# KiCad board PC110-no-placement.kicad_pcb
title: MINI ITX KICAD Template; date: 2023-04-20; rev: 0.8; company: morpheans.com
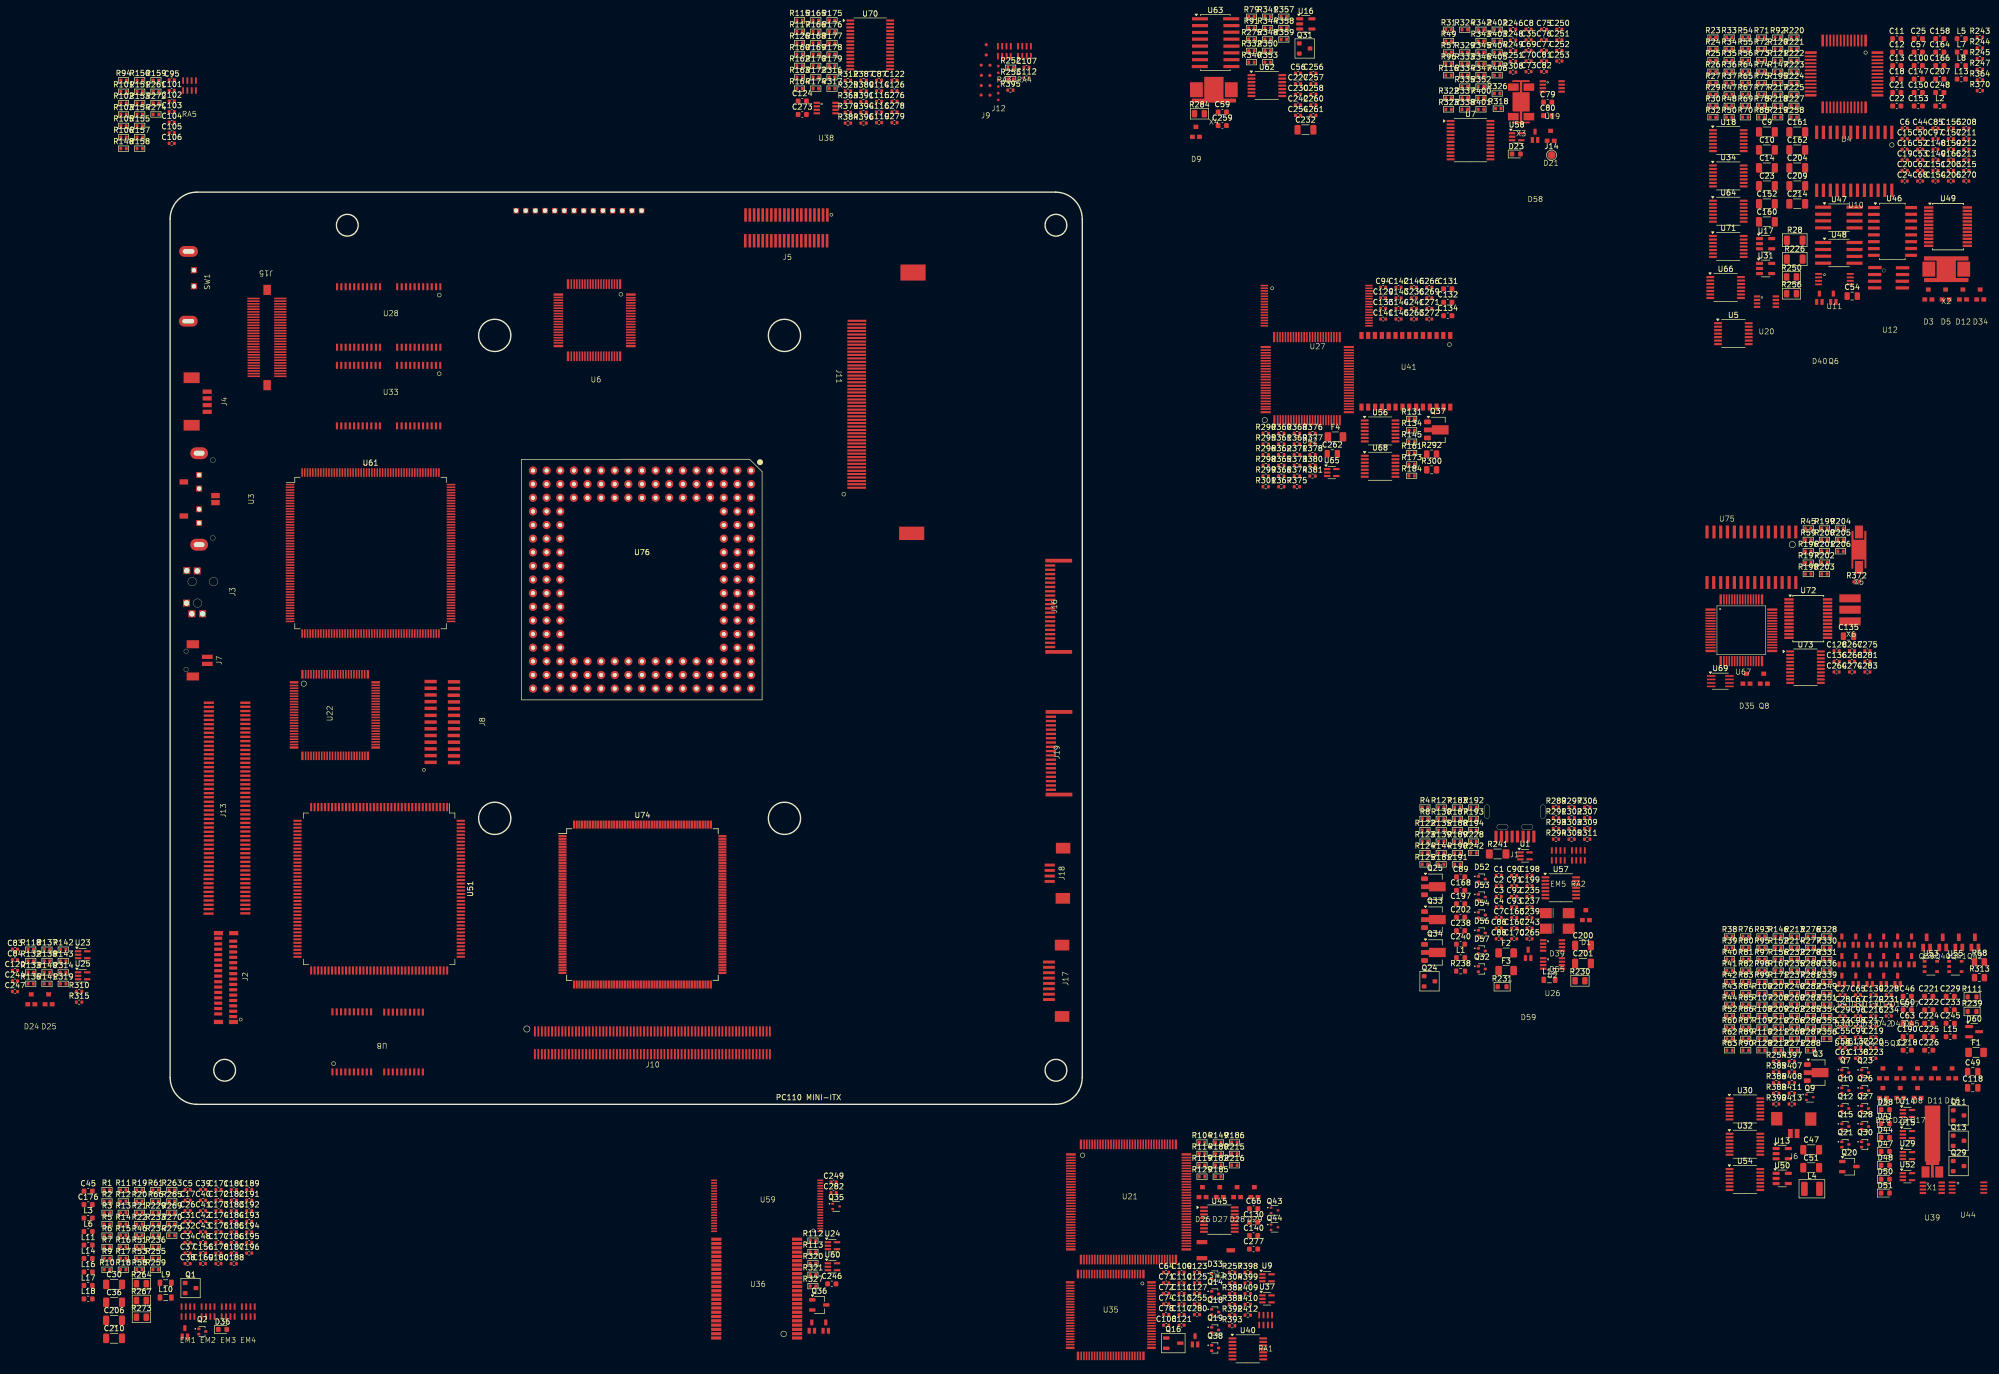
[diagram p0: board, top side]
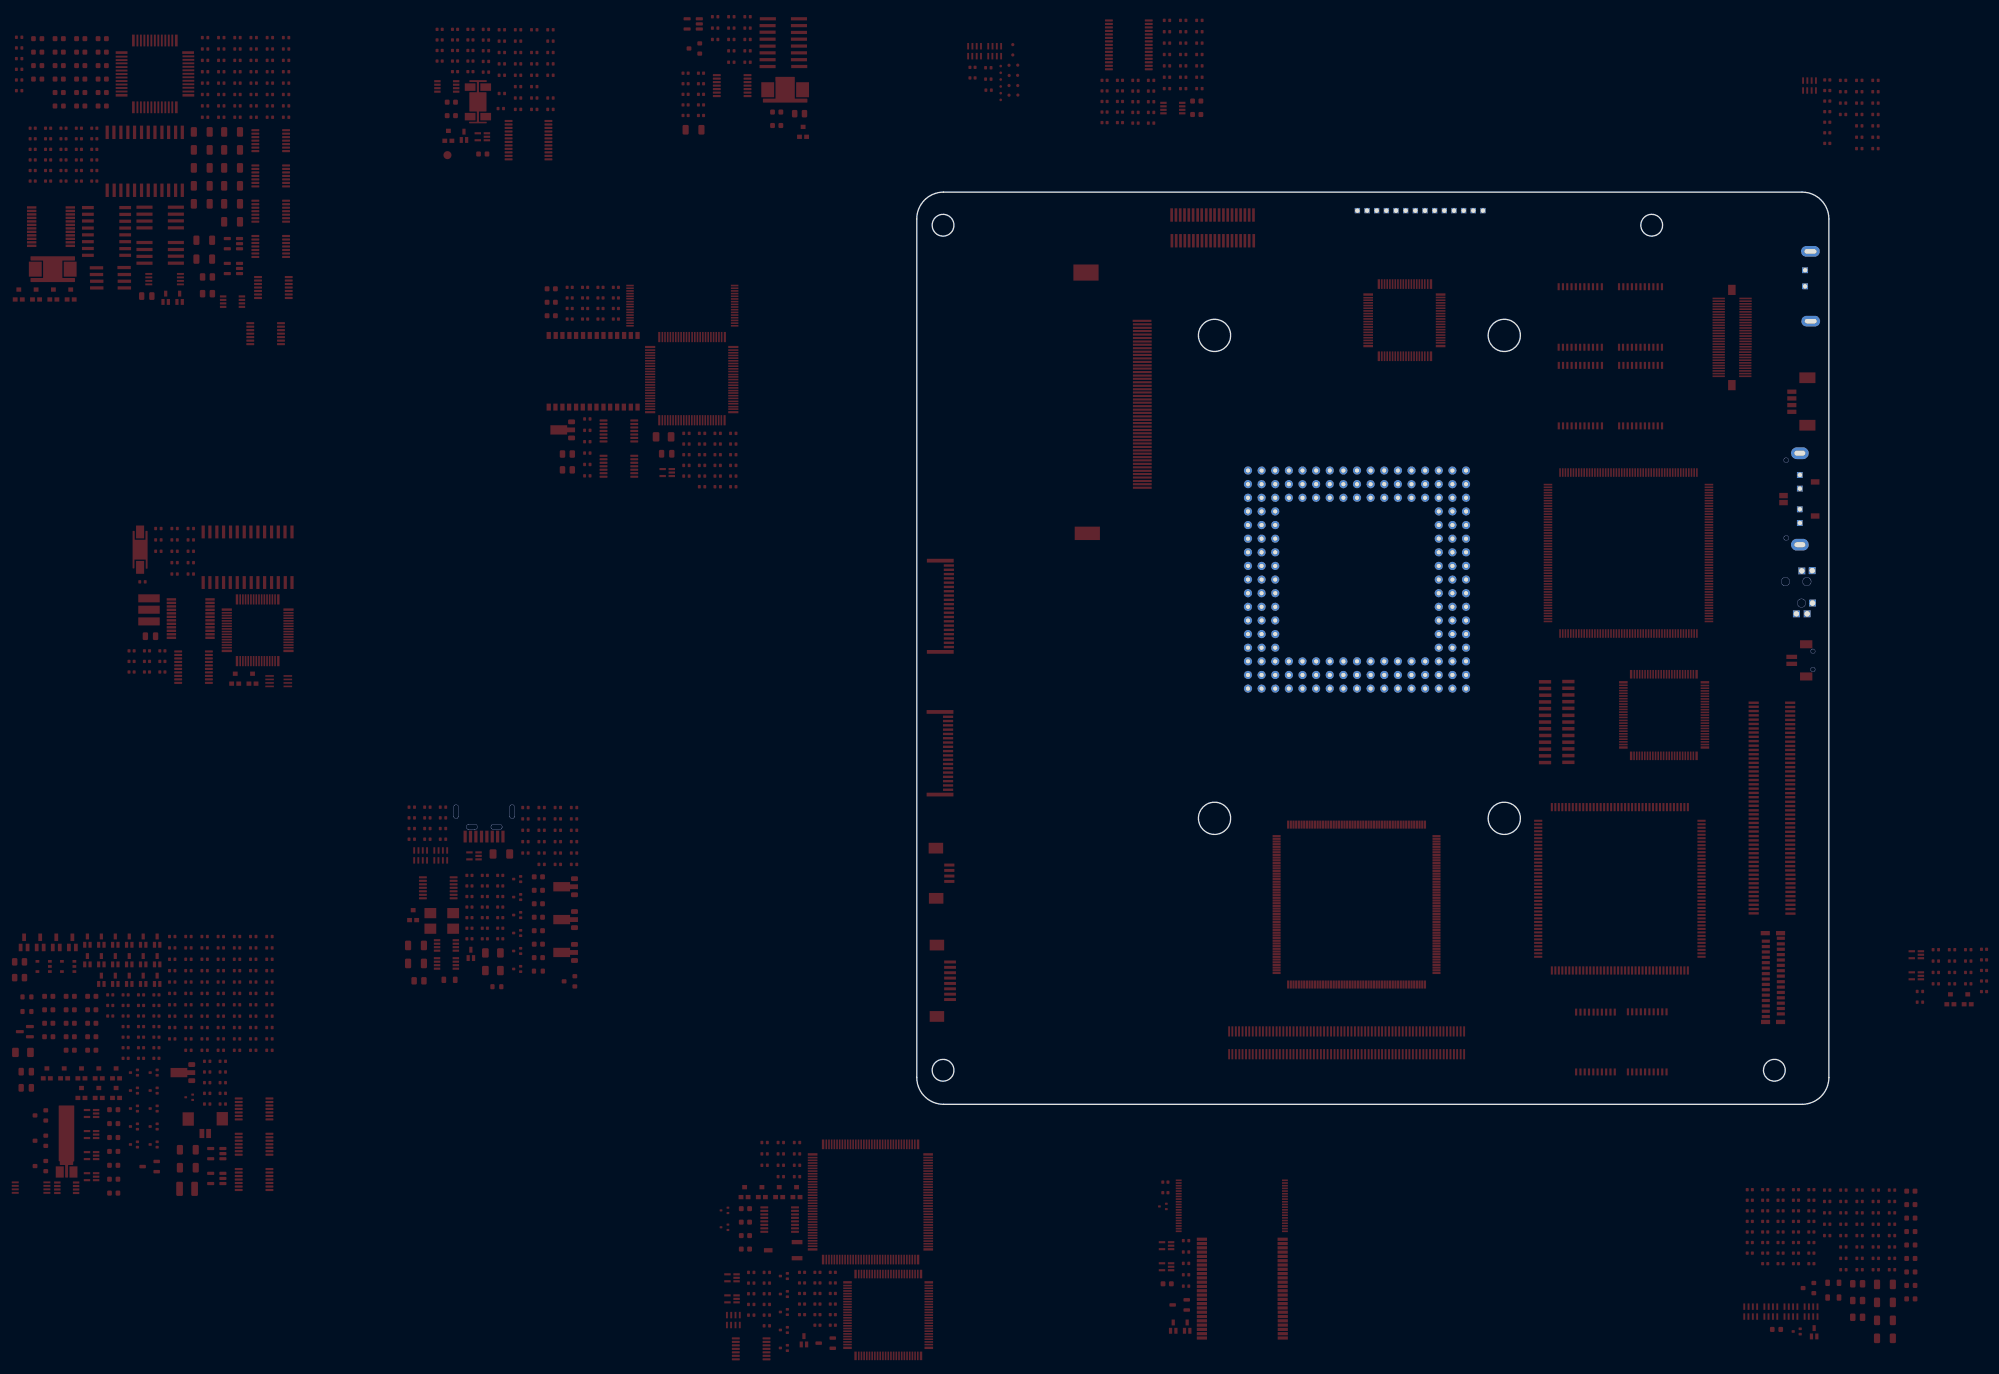
[diagram p1: board, bottom side, seen from below]

Outline 256.32 x 170 mm; copper layers: Top, In1.Cu, In2.Cu, In3.Cu, In4.Cu, In5.Cu, In6.Cu, In7.Cu, In8.Cu, Bottom. Coordinates in mm from the lower left corner of the outline.
Outline path: circle c10.16,6.35 r2.03 ; circle c33.02,163.83 r2.03 ; circle c60.5,143.3 r3 ; circle c60.5,53.3 r3 ; circle c114.5,143.3 r3 ; circle c114.5,53.3 r3 ; circle c165.1,163.83 r2.03 ; circle c165.1,6.35 r2.03 ; 0,165 0,5 arc(1.46,1.46) 5,0 165,0 arc(168.54,1.46) 170,5 170,165 arc(168.54,168.54) 165,170 5,170 arc(1.46,168.54) 0,165
Stack: Top 0.035mm / dielectric 0.1mm FR4 er 4.5 / In1.Cu 0.035mm / dielectric 0.1825mm FR4 er 4.5 / In2.Cu 0.035mm / dielectric 0.1mm FR4 er 4.5 / In3.Cu 0.035mm / dielectric 0.1825mm FR4 er 4.5 / In4.Cu 0.035mm / dielectric 0.1mm FR4 er 4.5 / In5.Cu 0.035mm / dielectric 0.1825mm FR4 er 4.5 / In6.Cu 0.035mm / dielectric 0.1mm FR4 er 4.5 / In7.Cu 0.035mm / dielectric 0.1825mm FR4 er 4.5 / In8.Cu 0.035mm / dielectric 0.1mm FR4 er 4.5 / Bottom 0.035mm

## Placement (name value [footprint] x y rotation side)
C1  DNP  [C_0402_1005Metric]  247.63 42.67 0 top  (not fitted)
C2  150nF  [C_0402_1005Metric]  247.63 40.7 0 top
C3  100nF  [C_0402_1005Metric]  247.63 38.73 0 top
C4  1nF  [C_0402_1005Metric]  247.63 36.76 0 top
C5  150nF  [C_0402_1005Metric]  3.26 -15.91 0 top
C6  DNP  [C_0402_1005Metric]  323.29 181.91 0 top  (not fitted)
C7  100nF  [C_0402_1005Metric]  247.63 34.79 0 top
C8  150nF  [C_0402_1005Metric]  253.19 200.33 0 top
C9  10uF  [C_1206_3216Metric]  297.61 181.22 0 top
C10  DNP  [C_1206_3216Metric]  297.61 177.87 0 top  (not fitted)
C11  270nF  [C_0603_1608Metric]  321.81 198.6 0 top
C12  250nF  [C_0603_1608Metric]  321.81 196.09 0 top
C13  270nF  [C_0603_1608Metric]  321.81 193.58 0 top
C14  10uF  [C_1206_3216Metric]  297.61 174.52 0 top
C15  1nF  [C_0402_1005Metric]  323.29 179.94 0 top
C16  100pF  [C_0402_1005Metric]  323.29 177.97 0 top
C17  150nF  [C_0402_1005Metric]  3.26 -17.88 0 top
C18  270nF  [C_0603_1608Metric]  321.81 191.07 0 top
C19  150nF  [C_0402_1005Metric]  323.29 176 0 top
C20  1.5nF  [C_0402_1005Metric]  323.29 174.03 0 top
C21  270nF  [C_0603_1608Metric]  321.81 188.56 0 top
C22  270nF  [C_0603_1608Metric]  321.81 186.05 0 top
C23  10uF  [C_1206_3216Metric]  297.61 171.17 0 top
C24  DNP  [C_0402_1005Metric]  323.29 172.06 0 top  (not fitted)
C25  270nF  [C_0603_1608Metric]  325.82 198.6 0 top
C26  150nF  [C_0402_1005Metric]  3.26 -19.85 0 top
C27  18pF  [C_0402_1005Metric]  311.71 20.4 0 top
C28  18pF  [C_0402_1005Metric]  311.71 18.43 0 top
C29  120nF  [C_0402_1005Metric]  311.71 16.46 0 top
C30  10uF  [C_1206_3216Metric]  -10.45 -33.56 0 top
C31  150nF  [C_0402_1005Metric]  3.26 -21.82 0 top
C32  150nF  [C_0402_1005Metric]  3.26 -23.79 0 top
C33  150nF  [C_0402_1005Metric]  311.71 14.49 0 top
C34  1nF  [C_0402_1005Metric]  3.26 -25.76 0 top
C35  150nF  [C_0402_1005Metric]  253.19 198.36 0 top
C36  10uF  [C_1206_3216Metric]  -10.45 -36.91 0 top
C37  1nF  [C_0402_1005Metric]  3.26 -27.73 0 top
C38  1nF  [C_0402_1005Metric]  3.26 -29.7 0 top
C39  150nF  [C_0402_1005Metric]  6.13 -15.91 0 top
C40  1nF  [C_0402_1005Metric]  6.13 -17.88 0 top
C41  120nF  [C_0402_1005Metric]  6.13 -19.85 0 top
C42  150nF  [C_0402_1005Metric]  6.13 -21.82 0 top
C43  1nF  [C_0402_1005Metric]  6.13 -23.79 0 top
C44  5.6nF  [C_0402_1005Metric]  326.16 181.91 0 top
C45  270nF  [C_0603_1608Metric]  -15.28 -16.18 0 top
C46  10nF  [C_0603_1608Metric]  323.76 20.13 0 top
C47  5.6uF  [C_1206_3216Metric]  305.86 -8.46 0 top
C48  330nF  [C_0402_1005Metric]  6.13 -25.76 0 top
C49  2.2uF  [C_0805_2012Metric]  335.97 6.09 0 top
C50  DNP  [C_0402_1005Metric]  326.16 179.94 0 top  (not fitted)
C51  10uF  [C_1206_3216Metric]  305.86 -11.81 0 top
C52  22pF  [C_0402_1005Metric]  326.16 177.97 0 top
C53  22pF  [C_0402_1005Metric]  326.16 176 0 top
C54  2.7uF  [C_0805_2012Metric]  313.51 150.63 0 top
C55  100nF  [C_0402_1005Metric]  311.71 12.52 0 top
C56  100nF  [C_0402_1005Metric]  210.22 192.16 0 top
C57  100nF  [C_0603_1608Metric]  325.82 196.09 0 top
C58  100nF  [C_0402_1005Metric]  311.71 10.55 0 top
C59  10nF  [C_0603_1608Metric]  196.11 184.92 0 top
C60  100nF  [C_0603_1608Metric]  323.76 17.62 0 top
C61  180nF  [C_0402_1005Metric]  311.71 8.58 0 top
C62  120nF  [C_0402_1005Metric]  326.16 174.03 0 top
C63  100nF  [C_0603_1608Metric]  323.76 15.11 0 top
C64  1nF  [C_0402_1005Metric]  185.64 -31.31 0 top
C65  150nF  [C_0402_1005Metric]  314.58 20.4 0 top
C66  1uF  [C_0603_1608Metric]  201.93 -19.44 0 top
C67  100nF  [C_0402_1005Metric]  314.58 18.43 0 top
C68  100nF  [C_0402_1005Metric]  326.16 172.06 0 top
C69  1nF  [C_0402_1005Metric]  253.19 196.39 0 top
C70  100nF  [C_0402_1005Metric]  253.19 194.42 0 top
C71  1nF  [C_0402_1005Metric]  185.64 -33.28 0 top
C72  100nF  [C_0402_1005Metric]  185.64 -35.25 0 top
C73  120nF  [C_0402_1005Metric]  253.19 192.45 0 top
C74  180nF  [C_0402_1005Metric]  185.64 -37.22 0 top
C75  100nF  [C_0402_1005Metric]  256.06 200.33 0 top
C76  100nF  [C_0402_1005Metric]  256.06 198.36 0 top
C77  1nF  [C_0402_1005Metric]  256.06 196.39 0 top
C78  1nF  [C_0402_1005Metric]  185.64 -39.19 0 top
C79  1uF  [C_0603_1608Metric]  256.75 186.76 0 top
C80  1uF  [C_0603_1608Metric]  256.75 184.25 0 top  (not fitted)
C81  1nF  [C_0402_1005Metric]  256.06 194.42 0 top
C82  100nF  [C_0402_1005Metric]  256.06 192.45 0 top
C83  100nF  [C_0402_1005Metric]  -28.92 28.89 0 top
C84  100nF  [C_0402_1005Metric]  -28.92 26.92 0 top
C85  1nF  [C_0402_1005Metric]  329.03 181.91 0 top
C86  180nF  [C_0402_1005Metric]  247.63 32.82 0 top
C87  120nF  [C_0402_1005Metric]  132.13 190.83 0 top
C88  180nF  [C_0402_1005Metric]  247.63 30.85 0 top
C89  470nF  [C_0603_1608Metric]  240.52 42.4 0 top
C90  120nF  [C_0402_1005Metric]  250.5 42.67 0 top
C91  100nF  [C_0402_1005Metric]  250.5 40.7 0 top
C92  120nF  [C_0402_1005Metric]  250.5 38.73 0 top
C93  100nF  [C_0402_1005Metric]  250.5 36.76 0 top
C94  100nF  [C_0402_1005Metric]  226.08 152.25 0 top
C95  150nF  [C_0402_1005Metric]  0.3 190.9 0 top
C96  150nF  [C_0402_1005Metric]  314.58 16.46 0 top
C97  100nF  [C_0402_1005Metric]  329.03 179.94 0 top
C98  330pF  [C_0402_1005Metric]  314.58 14.49 0 top
C99  100pF  [C_0402_1005Metric]  314.58 12.52 0 top
C100  10nF  [C_0603_1608Metric]  325.82 193.58 0 top
C101  180nF  [C_0402_1005Metric]  0.3 188.93 0 top
C102  120nF  [C_0402_1005Metric]  0.3 186.96 0 top
C103  150nF  [C_0402_1005Metric]  0.3 184.99 0 top
C104  150nF  [C_0402_1005Metric]  0.3 183.02 0 top
C105  150nF  [C_0402_1005Metric]  0.3 181.05 0 top
C106  1nF  [C_0402_1005Metric]  0.3 179.08 0 top
C107  1nF  [C_0402_1005Metric]  159.61 193.25 0 top
C108  150nF  [C_0402_1005Metric]  185.64 -41.16 0 top
C109  180nF  [C_0402_1005Metric]  188.51 -31.31 0 top
C110  1nF  [C_0402_1005Metric]  188.51 -33.28 0 top
C111  1nF  [C_0402_1005Metric]  188.51 -35.25 0 top
C112  150nF  [C_0402_1005Metric]  159.61 191.28 0 top
C113  120nF  [C_0402_1005Metric]  188.51 -37.22 0 top
C114  100nF  [C_0402_1005Metric]  132.13 188.86 0 top
C115  100nF  [C_0402_1005Metric]  132.13 186.89 0 top
C116  100nF  [C_0402_1005Metric]  132.13 184.92 0 top
C117  100nF  [C_0402_1005Metric]  188.51 -39.19 0 top
C118  2.7uF  [C_0805_2012Metric]  335.97 3.08 0 top
C119  100nF  [C_0402_1005Metric]  132.13 182.95 0 top
C120  100nF  [C_0402_1005Metric]  -28.92 24.95 0 top
C121  100nF  [C_0402_1005Metric]  188.51 -41.16 0 top
C122  100nF  [C_0402_1005Metric]  135 190.83 0 top
C123  150nF  [C_0402_1005Metric]  191.38 -31.31 0 top
C124  150nF  [C_0603_1608Metric]  117.82 186.97 0 top
C125  1nF  [C_0402_1005Metric]  191.38 -33.28 0 top
C126  150nF  [C_0402_1005Metric]  135 188.86 0 top
C127  100nF  [C_0402_1005Metric]  191.38 -35.25 0 top
C128  150nF  [C_0402_1005Metric]  310.6 84.51 0 top
C129  100nF  [C_0402_1005Metric]  226.08 150.28 0 top
C130  1uF  [C_0603_1608Metric]  201.93 -21.95 0 top
C131  10nF  [C_0603_1608Metric]  238.13 151.98 0 top
C132  100nF  [C_0603_1608Metric]  238.13 149.47 0 top
C133  100nF  [C_0402_1005Metric]  226.08 148.31 0 top
C134  150nF  [C_0603_1608Metric]  238.13 146.96 0 top
C135  2.7uF  [C_0805_2012Metric]  312.82 87.24 0 top
C136  150nF  [C_0402_1005Metric]  310.6 82.54 0 top
C137  1nF  [C_0402_1005Metric]  314.58 10.55 0 top
C138  1nF  [C_0402_1005Metric]  314.58 8.58 0 top
C139  100nF  [C_0402_1005Metric]  317.45 20.4 0 top
C140  1uF  [C_0603_1608Metric]  201.93 -24.46 0 top
C141  100nF  [C_0402_1005Metric]  226.08 146.34 0 top
C142  150nF  [C_0402_1005Metric]  228.95 152.25 0 top
C143  150nF  [C_0402_1005Metric]  228.95 150.28 0 top
C144  100pF  [C_0402_1005Metric]  228.95 148.31 0 top
C145  100pF  [C_0402_1005Metric]  228.95 146.34 0 top
C146  100nF  [C_0402_1005Metric]  231.82 152.25 0 top
C147  1uF  [C_0603_1608Metric]  325.82 191.07 0 top
C148  DNP  [C_0402_1005Metric]  329.03 177.97 0 top
C149  100nF  [C_0402_1005Metric]  329.03 176 0 top
C150  10nF  [C_0603_1608Metric]  325.82 188.56 0 top
C151  150nF  [C_0402_1005Metric]  329.03 174.03 0 top
C152  10uF  [C_1206_3216Metric]  297.61 167.82 0 top
C153  1uF  [C_0603_1608Metric]  325.82 186.05 0 top
C154  100pF  [C_0402_1005Metric]  329.03 172.06 0 top
C155  150nF  [C_0402_1005Metric]  331.9 181.91 0 top
C156  100nF  [C_0402_1005Metric]  6.13 -27.73 0 top
C157  150nF  [C_0402_1005Metric]  331.9 179.94 0 top
C158  1uF  [C_0603_1608Metric]  329.83 198.6 0 top
C159  DNP  [C_0402_1005Metric]  331.9 177.97 0 top
C160  10uF  [C_1206_3216Metric]  297.61 164.47 0 top
C161  10uF  [C_1206_3216Metric]  303.26 181.22 0 top
C162  10uF  [C_1206_3216Metric]  303.26 177.87 0 top
C163  220pF  [C_0402_1005Metric]  250.5 34.79 0 top
C164  330nF  [C_0603_1608Metric]  329.83 196.09 0 top
C165  DNP  [C_0402_1005Metric]  331.9 176 0 top
C166  300nF  [C_0603_1608Metric]  329.83 193.58 0 top
C167  220pF  [C_0402_1005Metric]  250.5 32.82 0 top
C168  1uF  [C_0603_1608Metric]  240.52 39.89 0 top
C169  56pF  [C_0402_1005Metric]  6.13 -29.7 0 top
C170  220pF  [C_0402_1005Metric]  250.5 30.85 0 top
C171  56pF  [C_0402_1005Metric]  9 -15.91 0 top
C172  100nF  [C_0402_1005Metric]  9 -17.88 0 top
C173  56pF  [C_0402_1005Metric]  9 -19.85 0 top
C174  56pF  [C_0402_1005Metric]  9 -21.82 0 top
C175  56pF  [C_0402_1005Metric]  9 -23.79 0 top
C176  470nF  [C_0603_1608Metric]  -15.28 -18.69 0 top
C177  56pF  [C_0402_1005Metric]  9 -25.76 0 top
C178  56pF  [C_0402_1005Metric]  9 -27.73 0 top
C179  1nF  [C_0402_1005Metric]  317.45 18.43 0 top
C180  56pF  [C_0402_1005Metric]  9 -29.7 0 top
C181  56pF  [C_0402_1005Metric]  11.87 -15.91 0 top
C182  56pF  [C_0402_1005Metric]  11.87 -17.88 0 top
C183  56pF  [C_0402_1005Metric]  11.87 -19.85 0 top
C184  56pF  [C_0402_1005Metric]  11.87 -21.82 0 top
C185  56pF  [C_0402_1005Metric]  11.87 -23.79 0 top
C186  56pF  [C_0402_1005Metric]  11.87 -25.76 0 top
C187  56pF  [C_0402_1005Metric]  11.87 -27.73 0 top
C188  1nF  [C_0402_1005Metric]  11.87 -29.7 0 top
C189  100nF  [C_0402_1005Metric]  14.74 -15.91 0 top
C190  10nF  [C_0603_1608Metric]  323.76 12.6 0 top
C191  56pF  [C_0402_1005Metric]  14.74 -17.88 0 top
C192  56pF  [C_0402_1005Metric]  14.74 -19.85 0 top
C193  56pF  [C_0402_1005Metric]  14.74 -21.82 0 top
C194  56pF  [C_0402_1005Metric]  14.74 -23.79 0 top
C195  56pF  [C_0402_1005Metric]  14.74 -25.76 0 top
C196  56pF  [C_0402_1005Metric]  14.74 -27.73 0 top
C197  300nF  [C_0603_1608Metric]  240.52 37.38 0 top
C198  120nF  [C_0402_1005Metric]  253.37 42.67 0 top
C199  220pF  [C_0402_1005Metric]  253.37 40.7 0 top
C200  10uF  [C_1206_3216Metric]  263.33 29.61 0 top
C201  10uF  [C_1206_3216Metric]  263.33 26.26 0 top
C202  150nF  [C_0603_1608Metric]  240.52 34.87 0 top
C203  150nF  [C_0402_1005Metric]  331.9 174.03 0 top
C204  10uF  [C_1206_3216Metric]  303.26 174.52 0 top
C205  150nF  [C_0402_1005Metric]  331.9 172.06 0 top
C206  10uF  [C_1206_3216Metric]  -10.45 -40.26 0 top
C207  300nF  [C_0603_1608Metric]  329.83 191.07 0 top
C208  1nF  [C_0402_1005Metric]  334.77 181.91 0 top
C209  10uF  [C_1206_3216Metric]  303.26 171.17 0 top
C210  10uF  [C_1206_3216Metric]  -10.45 -43.61 0 top
C211  150nF  [C_0402_1005Metric]  334.77 179.94 0 top
C212  150nF  [C_0402_1005Metric]  334.77 177.97 0 top
C213  100nF  [C_0402_1005Metric]  334.77 176 0 top
C214  10uF  [C_1206_3216Metric]  303.26 167.82 0 top
C215  100nF  [C_0402_1005Metric]  334.77 174.03 0 top
C216  150nF  [C_0402_1005Metric]  317.45 16.46 0 top
C217  150nF  [C_0402_1005Metric]  317.45 14.49 0 top
C218  150nF  [C_0603_1608Metric]  323.76 10.09 0 top
C219  150nF  [C_0402_1005Metric]  317.45 12.52 0 top
C220  150nF  [C_0402_1005Metric]  317.45 10.55 0 top
C221  150nF  [C_0603_1608Metric]  327.77 20.13 0 top
C222  10nF  [C_0603_1608Metric]  327.77 17.62 0 top
C223  150nF  [C_0402_1005Metric]  317.45 8.58 0 top
C224  10nF  [C_0603_1608Metric]  327.77 15.11 0 top
C225  1uF  [C_0603_1608Metric]  327.77 12.6 0 top
C226  1uF  [C_0603_1608Metric]  327.77 10.09 0 top
C227  150nF  [C_0402_1005Metric]  210.22 190.19 0 top
C228  100pF  [C_0402_1005Metric]  320.32 20.4 0 top
C229  1uF  [C_0603_1608Metric]  331.78 20.13 0 top
C230  DNP  [C_0402_1005Metric]  210.22 188.22 0 top  (not fitted)
C231  150nF  [C_0402_1005Metric]  320.32 18.43 0 top
C232  10uF  [C_1206_3216Metric]  211.61 181.62 0 top
C233  330nF  [C_0603_1608Metric]  331.78 17.62 0 top
C234  150nF  [C_0402_1005Metric]  320.32 16.46 0 top
C235  150nF  [C_0402_1005Metric]  253.37 38.73 0 top
C236  100nF  [C_0402_1005Metric]  231.82 150.28 0 top
C237  150nF  [C_0402_1005Metric]  253.37 36.76 0 top
C238  1uF  [C_0603_1608Metric]  240.52 32.36 0 top
C239  150nF  [C_0402_1005Metric]  253.37 34.79 0 top
C240  300nF  [C_0603_1608Metric]  240.52 29.85 0 top
C241  100nF  [C_0402_1005Metric]  231.82 148.31 0 top
C242  100nF  [C_0402_1005Metric]  210.22 186.25 0 top
C243  120nF  [C_0402_1005Metric]  253.37 32.82 0 top
C244  120nF  [C_0402_1005Metric]  -28.92 22.98 0 top
C245  10nF  [C_0603_1608Metric]  331.78 15.11 0 top
C246  150nF  [C_0603_1608Metric]  123.32 -33.45 0 top
C247  1nF  [C_0402_1005Metric]  -28.92 21.01 0 top
C248  1uF  [C_0603_1608Metric]  329.83 188.56 0 top
C249  150nF  [C_0402_1005Metric]  123.66 -14.5 0 top
C250  18pF  [C_0402_1005Metric]  258.93 200.33 0 top
C251  18pF  [C_0402_1005Metric]  258.93 198.36 0 top
C252  1nF  [C_0402_1005Metric]  258.93 196.39 0 top
C253  150nF  [C_0402_1005Metric]  258.93 194.42 0 top
C254  1nF  [C_0402_1005Metric]  210.22 184.28 0 top
C255  120nF  [C_0402_1005Metric]  191.38 -37.22 0 top
C256  150nF  [C_0402_1005Metric]  213.09 192.16 0 top
C257  DNP  [C_0402_1005Metric]  213.09 190.19 0 top  (not fitted)
C258  220pF  [C_0402_1005Metric]  213.09 188.22 0 top
C259  330nF  [C_0603_1608Metric]  196.11 182.41 0 top
C260  1nF  [C_0402_1005Metric]  213.09 186.25 0 top
C261  DNP  [C_0402_1005Metric]  213.09 184.28 0 top  (not fitted)
C262  1.5uF  [C_0805_2012Metric]  216.61 121.24 0 top
C263  100nF  [C_0402_1005Metric]  231.82 146.34 0 top
C264  56pF  [C_0402_1005Metric]  310.6 80.57 0 top
C265  150nF  [C_0402_1005Metric]  253.37 30.85 0 top
C266  180pF  [C_0402_1005Metric]  234.69 152.25 0 top
C267  DNP  [C_0402_1005Metric]  313.47 84.51 0 top
C268  56pf  [C_0402_1005Metric]  313.47 82.54 0 top
C269  220pF  [C_0402_1005Metric]  234.69 150.28 0 top
C270  DNP  [C_0402_1005Metric]  334.77 172.06 0 top  (not fitted)
C271  150nF  [C_0402_1005Metric]  234.69 148.31 0 top
C272  150nF  [C_0402_1005Metric]  234.69 146.34 0 top
C273  150nF  [C_0603_1608Metric]  117.82 184.46 0 top
C274  100nF  [C_0402_1005Metric]  313.47 80.57 0 top
C275  100nF  [C_0402_1005Metric]  316.34 84.51 0 top
C276  100nF  [C_0402_1005Metric]  135 186.89 0 top
C277  1uF  [C_0603_1608Metric]  201.93 -26.97 0 top
C278  150nF  [C_0402_1005Metric]  135 184.92 0 top
C279  120nF  [C_0402_1005Metric]  135 182.95 0 top
C280  100nF  [C_0402_1005Metric]  191.38 -39.19 0 top
C281  39pF  [C_0402_1005Metric]  316.34 82.54 0 top
C282  150nF  [C_0402_1005Metric]  123.66 -16.47 0 top
C283  39pF  [C_0402_1005Metric]  316.34 80.57 0 top
D1  -  [3D]  263.91 35.06 0 top
D2  K  [SOT-416L]  2.79 -42.5 0 top
D3  -  [3D]  327.74 150.72 0 top
D4  N  [SOT-416L]  311.63 30.48 0 top
D5  -  [3D]  330.96 150.72 0 top
D6  Q  [3D]  319.28 5.57 0 top
D7  Q  [3D]  322.5 5.57 0 top
D8  DNP  [3D]  325.73 5.57 0 top  (not fitted)
D9  DNP  [3D]  191.23 181.03 0 top  (not fitted)
D10  K  [SOT-416L]  314.23 30.48 0 top
D11  DNP  [3D]  328.95 5.57 0 top  (not fitted)
D12  DNP  [3D]  334.19 150.72 0 top  (not fitted)
D13  K  [SOT-416L]  316.83 30.48 0 top
D14  N  [SOT-416L]  319.43 30.48 0 top
D15  N  [SOT-416L]  322.03 30.48 0 top
D16  -  [3D]  332.18 5.57 0 top
D17  N  [SOT-416L]  324.63 30.48 0 top
D18  -  [3D]  319.28 1.92 0 top
D19  N  [SOT-416L]  119.65 -41.45 0 top
D20  3D  [SOT-416L]  122.25 -41.45 0 top
D21  -  [3D]  257.34 180.29 0 top
D22  -  [3D]  322.5 1.92 0 top
D23  92  [D_0603_1608Metric]  250.89 177.1 0 top
D24  -  [3D]  -25.84 19.37 0 top
D25  -  [3D]  -22.61 19.37 0 top
D26  -  [3D]  192.46 -16.56 0 top
D27  -  [3D]  195.68 -16.56 0 top
D28  -  [3D]  198.91 -16.56 0 top
D29  -  [3D]  202.13 -16.56 0 top
D30  N  [SOT-416L]  311.63 26.83 0 top
D31  N  [SOT-416L]  314.23 26.83 0 top
D32  K  [SOT-416L]  191.08 -44 0 top
D33  N  [SOT-416]  194.77 -32 0 top
D34  DNP  [3D]  337.41 150.72 0 top  (not fitted)
D35  -  [3D]  293.85 79.12 0 top
D36  71  [D_0603_1608Metric]  9.76 -41.95 0 top
D37  N  [SOT-416L]  316.83 26.83 0 top
D38  40  [D_0603_1608Metric]  319.67 -1 0 top
D39  s.3 5F  [Diode]  258.51 35.68 0 top
D40  N  [SOT-416L]  307.44 150.28 0 top
D41  24  [D_0603_1608Metric]  319.67 -3.59 0 top
D42  N  [SOT-416L]  319.43 26.83 0 top
D43  N  [SOT-416L]  322.03 26.83 0 top
D44  83  [D_0603_1608Metric]  319.67 -6.18 0 top
D45  N  [SOT-416L]  324.63 26.83 0 top
D46  N  [SOT-416L]  311.63 23.18 0 top
D47  24  [D_0603_1608Metric]  319.67 -8.77 0 top
D48  A2  [D_0603_1608Metric]  319.67 -11.36 0 top
D49  N  [SOT-416L]  314.23 23.18 0 top
D50  26  [D_0603_1608Metric]  319.67 -13.95 0 top
D51  C6  [D_0603_1608Metric]  319.67 -16.54 0 top
D52  K  [SOT-416]  244.48 41.98 0 top
D53  K  [SOT-416]  244.48 38.63 0 top
D54  K  [SOT-416]  244.48 35.28 0 top
D55  s.3 5F  [Diode]  258.51 32.78 0 top
D56  K  [SOT-416]  244.48 31.93 0 top
D57  K  [SOT-416]  244.48 28.58 0 top
D58  K  [SOT-416L]  254.44 180.47 0 top
D59  3D  [SOT-416L]  253.16 28.01 0 top
D60  3D  [SOT-23#2]  336.23 13.54 0 top
EM1  -  [R-array]  3.29 -38.7 0 top
EM2  -  [R-array]  7.04 -38.7 0 top
EM3  -  [R-array]  10.79 -38.7 0 top
EM4  -  [R-array]  14.54 -38.7 0 top
EM5  -  [R-array]  258.7 46.31 0 top
F1  0.5A  [Fuse_1206_3216Metric]  336.59 9.68 0 top
F2  1.0A  [Fuse_1206_3216Metric]  249 28.22 0 top
F3  0.5A  [Fuse_1206_3216Metric]  249 24.93 0 top
F4  0.5A  [Fuse_1206_3216Metric]  217.19 124.39 0 top
J1  -  [PS2]  250.57 52 0 top
J2  -  [LCD_connector]  10.5 23.75 90 top
J3  -  [Audio-Jack]  6.05 95.51 90 top
J4  -  [connector-4]  5.2 130.96 90 top
J5  -  [PSU_Connector]  115.04 163.34 0 top
J6  -  [BridgeBatt]  302.59 -4.24 0 top
J7  -  [SPKR]  4.72 82.74 90 top
J8  -  [Modem-Connector]  50.7 71.29 90 top
J9  -  [Debug-10]  152.03 192.66 0 top
J10  -  [PCMCIA]  89.93 11.59 0 top
J11  -  [CF-card]  133.16 131.56 270 top
J12  -  [Debug-6]  154.4 190.34 0 top
J13  -  [Docking Port]  10.41 54.74 90 top
J14  -  [TestPoint_Pad_D1.5mm]  257.47 176.89 0 top
J15  -  [RAM Module]  18.08 143.08 180 top
J16  -  [Flat-20]  165.31 92.82 90 top
J17  -  [Flat-8]  165.49 23.13 90 top
J18  -  [Flat-4]  166.68 43.09 90 top